# Altium PCB 左手键盘1.PcbDoc (part 1 of 2) (continued)
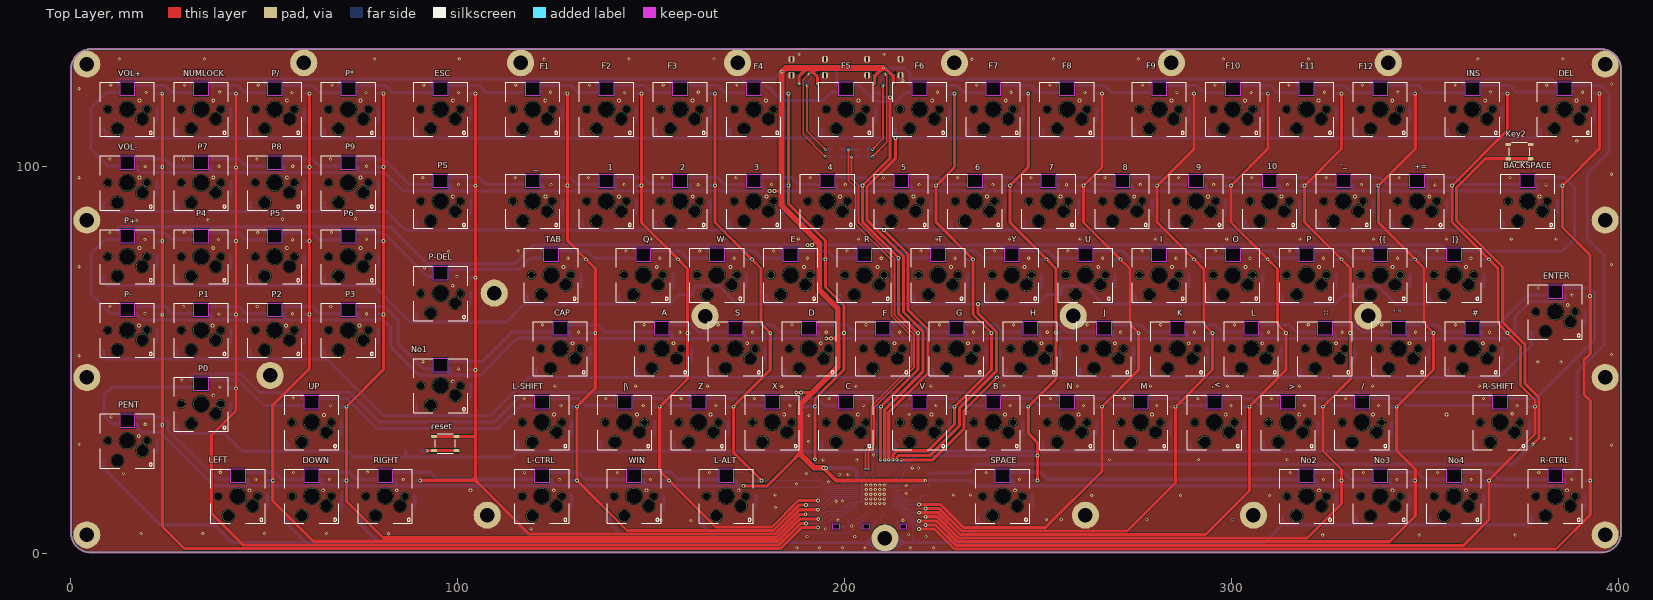
[diagram p0: Top Layer view]
## Part data
1 2 3 4 5 6 7 8 9 10 # "' \"" += ,< -_ .> / ;: ]} A B BACKSPACE C CAP D DEL DOWN E ENTER ESC F F1 F2 F3 F4 F5 F6 F7 F8 F9 F10 F11 F12 G H I INS J K L L-ALT L-CTRL L-SHIFT LEFT M N No1 No2 No3 No4 NUMLOCK O P P0 P1 P2 P3 P4 P5 P6 P7 P8 P9 P* P+ P- P-DEL P/ PENT PS Q R R-CTRL R-SHIFT RIGHT S SPACE T TAB U UP V VOL+ VOL- W WIN X Y Z {[ |\ ~: "KEY"
C2 C3 C4 C5 C6 C7: library part "0805 100nF(104) 10% 50V", "贴片电容", Package=0805, SuppliersPartNumber=C49678, ComponentLink1Description=供应商链接, ComponentLink1URL=http://www.szlcsc.com/product/details_50686.html, Supplier=LC
C8 C9: library part "0805 10uF (106) 10% 25V", "贴片电容", Package=0805, SuppliersPartNumber=C15850, ComponentLink1Description=供应商链接, ComponentLink1URL=http://www.szlcsc.com/product/details_16532.html, Supplier=LC
C10 C11: library part "0805 22pF (220) 5% 50V", "贴片电容", Package=0805, SuppliersPartNumber=C1804, ComponentLink1Description=供应商链接, ComponentLink1URL=http://www.szlcsc.com/product/details_2156.html, Supplier=LC
D1 D3 D4: "Typical RED GaAs LED", LatestRevisionDate=08-Jul-2005, LatestRevisionNote="Mech Layer 1 removed.", PackageDescription="LED; 2 Leads", PackageReference=LED-1, Published=8-Jun-2000, Publisher="Altium Limited"
D2: library part "LL-34 LL4148 LL-34 1206", "开关二极管", Package=LL-34, SuppliersPartNumber=C9808, ComponentLink1Description=供应商链接, ComponentLink1URL=http://www.szlcsc.com/product/details_10338.html, Supplier=LC
R1 R2 R3 R4 R7 R8 R9: library part "0805 10Ω (10R0) 1%", "贴片电阻", Package=0805, SuppliersPartNumber=C17415, ComponentLink1Description=供应商链接, ComponentLink1URL=http://www.szlcsc.com/product/details_18103.html, Supplier=LC
R5 R6: library part "0805 1.5MΩ (1504) 1%", "贴片电阻", Package=0805, SuppliersPartNumber=C26110, ComponentLink1Description=供应商链接, ComponentLink1URL=http://www.szlcsc.com/product/details_26853.html, Supplier=LC
USB1 USB2: BOM_Manufacturer="SHOU HAN", BOM_Manufacturer Part=TYPE-C16PIN, Package Display=Yes, BOM_Supplier=LCSC, BOM_Supplier Part=C393939, Contributor=shiyindebcd, spicePre=U, spiceSymbolName=usb-TYPE-C16PIN
Y2: library part "SMD-3225_4P  16MHZ 9PF 10PPM", "贴片晶振", Package=SMD-3225_4P, SuppliersPartNumber=C13738, ComponentLink1Description=供应商链接, ComponentLink1URL=http://www.szlcsc.com/product/details_14393.html, Supplier=LC

## Free pads (board coordinates)
  round 7 hole 3.75: 1(4.224,4.755) 1(4.224,45.427) 1(4.224,86.1) 1(4.224,126.436) 1(51.604,45.948) 1(60.29,126.772) 1(107.72,9.832) 1(109.528,67.222) 1(116.356,126.772) 1(164.036,61.312) 1(172.422,126.772) 1(210.522,3.901) 1(228.488,126.772) 1(259.19,61.327) 1(262.322,9.832) 1(284.554,126.772) 1(305.777,9.832) 1(335.403,61.34) 1(340.62,126.772) 1(396.686,126.436) 1(396.686,4.755) 1(396.686,45.427) 1(396.686,86.1)

## Via types
v1: diameter 0.8, hole 0.4, Top Layer to Bottom Layer, tented both sides, 366 vias
v2: diameter 1, hole 0.5, Top Layer to Bottom Layer, tented both sides, 238 vias
v3: diameter 0.5, hole 0.3, Top Layer to Bottom Layer, tented both sides, 2 vias

## Nets (pads, with @x,y where several pads share a name; then routed paths per layer and width w, separated by ;. In a path a pad name is that pad's centre, name@x,y a point inside that pad or via, vN(x,y) a via of type N, cw(c..) or ccw(c..) an arc to the next point about the centre after c; other vN are vias at no path point)
+5: 1.1 2.1 3.1 4.1 5.1 6.1 7.1 8.1 9.1 10.1 "' \".1" #.1 +=.1 ,<.1 -_.1 .>.1 /.1 ;:.1 ]}.1 A.1 B.1 BACKSPACE.1 C2.2 C3.2 C4.2 C5.2 C6.2 C7.2 C.1 CAP.1 D.1 DEL.1 DOWN.1 E.1 ENTER.1 ESC.1 F1.1 F2.1 F3.1 F4.1 F5.1 F6.1 F7.1 F8.1 F9.1 F10.1 F11.1 F12.1 F.1 G.1 H.1 I.1 INS.1 J.1 K.1 L-ALT.1 L-CTRL.1 L-SHIFT.1 L.1 LEFT.1 M.1 N.1 No1.1 No2.1 No3.1 No4.1 NUMLOCK.1 O.1 P0.1 P1.1 P2.1 P3.1 P4.1 P5.1 P6.1 P7.1 P8.1 P9.1 P*.1 P+.1 P-.1 P-DEL.1 P.1 P/.1 PENT.1 PS.1 Q.1 R5.2 R-CTRL.1 R-SHIFT.1 R.1 RIGHT.1 S.1 SPACE.1 T.1 TAB.1 U2.3 U2.8 U2.21 U2.52 U2.64 U.1 UP.1 USB1.A4B9 USB1.B4A9 USB2.A4B9 USB2.B4A9 V.1 VOL+.1 VOL-.1 W.1 WIN.1 X.1 Y.1 Z.1 {[.1 |\.1 ~.1 | length 2594.3
  Top Layer w0.8: v2(173.966,17.436) 173.972,17.429 180.157,17.429 180.219,17.492 188.686,25.959 ; v2(180.721,93.632) v2(181.945,93.632) ; v2@181.958,93.635 183.777,93.635 ; 183.777,93.467 183.782,93.467 183.977,93.467 ; v2@187.589,41.565 v2@188.813,41.565 ; v1(188.285,121.269) 188.285,123.258 190.475,125.447 190.754,125.447 193.07,123.131 v1(193.07,121.269) ; v2@188.813,41.585 v2@188.839,41.559 ; v2@188.839,41.565 191.76,41.565 ; v2@190.464,79.677 v2@191.689,79.677 ; v2@191.689,79.764 v2@191.712,79.764 ; v2@191.712,79.677 192.824,80.79 ; v2@195.331,55.532 v2@196.555,55.532 ; v2(196.555,55.507) v2@196.568,55.494 ; v2@196.568,55.535 198.333,55.535 ; 207.861,121.269 207.861,123.326 209.982,125.447 v1(210.172,125.447) 210.49,125.447 212.661,123.276 212.661,121.269
  Top Layer w1: v2(194.62,22.07) 197.909,18.781 v1(220.934,18.781)
  Top Layer w1.5: 183.777,93.467 183.777,89.924 192.824,80.876 193.556,80.145 193.556,68.036 198.333,63.259 198.333,55.494 198.333,48.133 191.76,41.559 188.686,38.486 188.686,25.959 188.686,25.59 192.202,22.075 v2@194.62,22.075 ; 183.782,93.467 183.782,124.371 v2(183.858,124.447) 184.858,125.447 185.384,125.447 187.058,125.447 190.754,125.447 197.159,125.447 203.666,125.447 v1@209.982,125.447
  Bottom Layer w0.3: C4.2@199.257,12.162 200.33,12.162 201.425,13.257 U2.52@203.402,13.257
  Bottom Layer w0.4: 207.483,18.715 207.518,18.679 207.569,18.628 207.907,18.628 ; 207.652,18.883 207.907,18.628 ; C3.2@217.427,18.818 217.4,18.791 215.6,18.791 214.066,17.257 212.402,17.257 211.404,17.257 211.16,17.501 211.16,17.993 210.525,18.628 207.907,18.628
  Bottom Layer w0.5: U2.52@203.402,13.257 204.26,13.257 204.567,13.564 204.567,18.278 205.003,18.715 ; 204.846,18.715 205.003,18.715 ; 205.039,18.679 207.518,18.679 ; U2.3@205.152,20.007 205.152,18.863 205.003,18.715 ; 207.483,18.715 207.652,18.883 U2.8@207.652,20.007 ; USB2.A4B9@207.838,122.418 USB2.A4B9@207.849,122.406 ; 207.849,121.281 207.861,121.269 ; USB2.B4A9@212.628,122.427 USB2.B4A9@212.638,122.418 USB2.B4A9@212.65,122.406 ; 212.65,121.281 212.661,121.269
  Bottom Layer w0.6: USB2.A4B9@207.838,122.418 207.838,123.509 209.748,125.419 ; 207.849,121.281 USB2.A4B9@207.849,122.406 ; 210.734,125.419 212.628,123.525 USB2.B4A9@212.628,122.427 ; 212.65,121.281 USB2.B4A9@212.65,122.406
  Bottom Layer w0.7: U2.64@203.402,19.348 204.223,19.348 ; 204.223,19.338 204.846,18.715
  Bottom Layer w0.8: P+.1@12.172,82.97 12.172,83.929 12.64,84.398 ; P+.1@12.182,82.97 12.282,82.87 P+.1@12.293,82.87 ; VOL+.1@12.293,120.97 12.211,120.97 12.111,121.07 12.111,122.063 12.579,122.532 16.835,122.532 16.837,122.53 31.183,122.53 ; 12.65,84.398 31.201,84.398 ; PENT.1@17.093,33.445 17.172,33.445 17.272,33.345 17.272,32.427 18.421,31.278 23.205,31.278 37.048,17.435 41.149,17.435 41.161,17.422 45.403,17.422 45.416,17.435 45.819,17.435 ; P-.1@17.093,62.02 17.231,61.882 17.231,61.501 18.399,60.334 18.399,60.283 36.167,60.283 36.167,60.3 36.279,60.3 ; VOL-.1@17.093,100.12 17.141,100.12 17.242,100.02 17.242,99.253 18.104,98.39 36.17,98.39 ; NUMLOCK.1@31.183,120.939 31.183,122.53 ; P0.1@31.343,44.77 31.301,44.77 31.201,44.87 31.201,45.833 31.67,46.301 44.13,46.301 48.862,41.569 59.936,41.569 ; P4.1@31.343,82.87 31.301,82.87 31.201,82.97 31.201,84.398 ; P1.1@36.143,62.02 36.279,61.885 36.279,60.3 ; P7.1@36.143,100.12 36.284,99.98 36.284,98.393 ; 36.167,98.393 36.17,98.39 ; LEFT.1@45.668,19.157 45.819,19.007 45.819,17.435 ; P/.1@50.248,120.939 50.248,122.53 ; 50.259,84.364 50.259,83.005 P5.1@50.393,82.87 ; P2.1@55.193,62.02 55.329,61.885 55.329,60.3 ; P8.1@55.193,100.12 55.334,99.98 55.334,98.393 ; UP.1@59.773,39.976 59.773,41.559 ; 59.926,41.559 59.936,41.569 ; DOWN.1@64.731,19.157 64.861,19.027 64.861,17.435 ; 69.278,84.353 69.278,83.081 P6.1@69.466,82.893 ; P*.1@69.316,120.939 69.316,122.53 ; 69.597,84.398 31.201,84.398 ; 69.743,84.396 82.634,84.396 92.2,74.831 114.803,74.831 119.649,79.677 336.202,79.677 ; P3.1@74.243,62.02 74.379,61.885 74.379,60.283 ; P9.1@74.243,100.12 74.374,99.99 74.374,98.393 ; RIGHT.1@83.768,19.157 83.909,19.017 83.909,17.435 ; 93.116,74.768 93.116,73.485 P-DEL.1@93.256,73.345 ; ESC.1@93.121,120.939 93.121,122.53 ; PS.1@98.056,95.357 98.196,95.217 98.196,93.631 ; No1.1@98.061,47.732 98.107,47.732 98.207,47.632 98.207,46.01 ; F1.1@116.934,120.939 116.934,122.53 ; L-SHIFT.1@119.316,39.976 119.316,41.559 ; 119.463,41.559 119.474,41.569 ; 121.696,79.639 121.696,78.242 TAB.1@121.831,78.107 ; ~.1@121.868,95.357 122.004,95.222 122.004,93.631 ; L-CTRL.1@124.256,19.157 124.396,19.017 124.396,17.435 ; 129.042,55.535 372.11,55.535 373.38,56.805 373.38,61.123 377.307,65.049 385.748,65.049 ; 129.042,55.56 115.433,55.56 105.882,46.01 98.207,46.01 ; 129.169,55.56 CAP.1@129.169,57.274 ; F2.1@136.001,120.939 136.001,122.53 ; |\.1@140.731,39.976 140.731,41.559 ; 140.888,41.559 140.899,41.569 ; 1.1@140.931,95.357 141.061,95.227 141.061,93.635 ; 145.498,79.639 145.498,78.252 Q.1@145.643,78.107 ; WIN.1@148.068,19.157 148.209,19.017 148.209,17.435 ; F3.1@155.051,120.939 155.051,122.53 ; A.1@155.219,57.257 155.354,57.122 155.354,55.56 ; Z.1@159.791,39.976 159.791,41.559 ; 159.938,41.559 159.949,41.569 ; 2.1@159.981,95.357 160.111,95.227 160.111,93.635 ; 164.554,79.639 164.554,78.247 W.1@164.693,78.107 ; L-ALT.1@171.881,19.157 172.026,19.012 172.026,17.506 ; v2@173.932,17.435 148.209,17.435 ; F4.1@174.079,120.939 174.079,122.53 ; S.1@174.256,57.257 174.391,57.122 174.391,55.631 ; X.1@178.836,39.976 178.836,41.559 ; 178.988,41.559 178.999,41.569 ; 3.1@179.018,95.357 179.149,95.227 179.149,93.635 ; 183.593,79.639 183.593,78.257 E.1@183.743,78.107 ; D.1@193.306,57.257 193.431,57.132 193.431,55.611 ; C.1@197.904,39.976 197.904,41.559 ; F5.1@198.031,120.97 198.031,125.412 198.066,125.447 ; 198.051,41.559 198.057,41.565 ; 4.1@198.068,95.357 198.193,95.232 198.193,93.655 ; 202.648,79.639 202.648,78.252 R.1@202.793,78.107 ; 209.748,125.419 210.734,125.419 215.588,125.419 216.944,124.063 216.944,122.679 ; v1(210.172,125.447) 198.066,125.447 ; F.1@212.356,57.257 212.486,57.127 212.486,55.55 ; V.1@216.936,39.976 216.936,41.559 ; F6.1@216.941,120.939 216.941,122.53 216.944,122.533 216.944,122.679 ; 217.088,41.559 217.099,41.569 ; 217.269,93.675 5.1@217.269,95.288 ; C3.2@217.428,18.817 219.407,18.817 219.428,18.796 220.919,18.796 220.939,18.776 232.656,18.776 232.664,18.776 234.003,17.437 243.329,17.437 ; 221.706,79.639 221.706,78.257 T.1@221.856,78.107 ; G.1@231.419,57.257 231.559,57.117 231.559,55.59 ; F7.1@235.986,120.939 235.986,122.53 ; B.1@235.996,39.976 235.996,41.559 ; 236.143,41.559 236.154,41.569 ; 236.299,93.706 6.1@236.299,95.318 ; 240.761,79.639 240.761,78.252 Y.1@240.906,78.107 ; SPACE.1@243.318,19.157 243.454,19.022 243.454,17.45 ; 243.342,17.45 243.329,17.437 ; H.1@250.456,57.257 250.596,57.117 250.596,55.58 ; N.1@255.031,39.976 255.031,41.559 ; F8.1@255.041,120.939 255.041,122.53 ; 255.188,41.559 255.199,41.569 ; 255.349,93.716 7.1@255.349,95.328 ; 259.804,79.639 259.804,78.247 U.1@259.943,78.107 ; J.1@269.506,57.257 269.641,57.122 269.641,55.58 ; M.1@274.086,39.976 274.086,41.559 ; 274.238,41.559 274.249,41.569 ; 274.404,93.68 8.1@274.404,95.293 ; 278.838,79.639 278.838,78.262 I.1@278.993,78.107 ; F9.1@278.866,120.939 278.866,122.53 ; K.1@288.556,57.257 288.696,57.117 288.696,55.58 ; 293.136,39.976 293.136,41.559 ; 293.288,41.559 293.299,41.569 ; 293.461,93.716 9.1@293.461,95.328 ; 297.888,79.659 297.888,78.262 O.1@298.043,78.107 ; F10.1@297.921,120.939 297.921,122.53 ; L.1@307.606,57.257 307.736,57.127 307.736,55.575 ; .>.1@312.191,39.976 312.191,41.559 ; 312.338,41.559 312.349,41.569 ; 312.504,93.721 10.1@312.504,95.333 ; 316.948,79.639 316.948,78.252 P.1@317.093,78.107 ; F11.1@316.964,120.939 316.964,122.53 ; No2.1@321.906,19.157 322.036,19.027 322.036,17.45 ; 326.656,57.257 326.791,57.122 326.791,55.575 ; /.1@331.254,39.976 331.254,41.559 ; 331.401,41.559 331.412,41.569 ; 331.554,93.675 -_.1@331.554,95.288 ; F12.1@336.011,120.939 336.011,122.53 ; {[.1@336.021,78 336.021,79.639 ; 336.164,79.639 336.202,79.677 ; No3.1@340.956,19.162 341.086,19.032 341.086,17.45 ; 345.706,57.257 345.841,57.122 345.841,55.606 ; 350.599,93.696 +=.1@350.599,95.308 ; ]}.1@355.052,78.131 355.052,78.958 354.333,79.677 336.202,79.677 ; INS.1@359.834,120.939 359.834,122.53 ; 359.976,122.53 359.974,122.532 ; No4.1@360.006,19.162 360.141,19.027 360.141,17.45 ; #.1@364.769,57.257 364.894,57.132 364.894,55.662 ; R-SHIFT.1@366.967,40.067 366.967,41.157 366.554,41.569 331.412,41.569 ; 378.797,93.635 179.149,93.635 ; 378.889,93.635 379.186,93.932 379.186,95.214 BACKSPACE.1@379.043,95.357 ; DEL.1@383.685,121.03 383.625,121.03 383.616,121.039 383.616,121.826 382.91,122.532 379.806,122.532 359.974,122.532 ; 385.87,65.049 386.339,65.518 ; R-CTRL.1@386.193,19.162 386.234,19.162 386.334,19.062 386.334,17.906 385.865,17.437 243.329,17.437 ; ENTER.1@386.193,66.782 386.344,66.632 386.344,65.518 ; 31.183,122.53 31.641,122.53 31.643,122.532 35.885,122.532 35.887,122.53 50.248,122.53 ; 36.17,98.39 81.223,98.39 85.983,93.631 121.892,93.631 122.004,93.631 ; 36.279,60.3 55.217,60.3 55.217,60.283 74.379,60.283 ; 45.819,17.435 64.861,17.435 ; 50.248,122.53 50.691,122.53 50.693,122.532 54.935,122.532 54.937,122.53 69.316,122.53 ; 59.936,41.569 72.177,41.569 79.87,33.876 109.558,33.876 117.251,41.569 119.474,41.569 ; 64.861,17.435 83.909,17.435 ; 69.316,122.53 69.753,122.53 69.756,122.532 73.998,122.532 74,122.53 93.121,122.53 ; 74.379,60.283 80.761,60.283 82.758,58.286 82.758,53.414 90.162,46.01 98.207,46.01 ; 83.909,17.435 124.396,17.435 ; 93.121,122.53 93.553,122.53 93.555,122.532 97.797,122.532 97.8,122.53 116.934,122.53 ; 116.934,122.53 117.366,122.53 117.368,122.532 121.61,122.532 121.612,122.53 136.001,122.53 ; 119.474,41.569 140.899,41.569 ; 122.004,93.631 140.955,93.631 140.955,93.635 141.061,93.635 ; 124.396,17.435 148.209,17.435 ; 136.001,122.53 136.428,122.53 136.431,122.532 140.673,122.532 140.675,122.53 155.051,122.53 ; 140.899,41.569 159.949,41.569 ; 141.061,93.635 160.005,93.635 160.005,93.631 179.042,93.631 179.042,93.635 179.149,93.635 ; 155.051,122.53 155.478,122.53 155.481,122.532 159.723,122.532 159.725,122.53 174.079,122.53 ; 159.949,41.569 178.999,41.569 ; 174.079,122.53 174.516,122.53 174.518,122.532 178.76,122.532 178.762,122.53 181.864,122.53 183.682,124.347 183.704,124.347 183.804,124.447 v2(183.858,124.447) 183.912,124.447 184.912,125.447 198.066,125.447 ; 178.999,41.569 186.06,41.569 186.065,41.565 198.057,41.565 ; 198.057,41.565 198.338,41.565 198.343,41.569 217.099,41.569 ; 216.944,122.679 217.088,122.535 217.088,122.53 217.091,122.532 359.974,122.532 ; 217.099,41.569 236.154,41.569 ; 236.154,41.569 255.199,41.569 ; 255.199,41.569 274.249,41.569 ; 274.249,41.569 293.299,41.569 ; 293.299,41.569 312.349,41.569 ; 312.349,41.569 331.412,41.569
  Bottom Layer w1: v2@194.62,22.062 C7.2@196.55,22.062 ; C7.2@196.559,22.057 C5.2@200.66,22.057 ; C5.2@200.66,22.059 202.23,22.059 203.259,21.03 203.259,19.541
  other v2: 195.27,22.062 187.589,41.57 188.813,41.57 195.331,55.507 190.464,79.672 191.689,79.672
GND: 1.3 2.3 3.3 4.3 5.3 6.3 7.3 8.3 9.3 10.3 "' \".3" #.3 +=.3 ,<.3 -_.3 .>.3 /.3 ;:.3 ]}.3 A.3 B.3 BACKSPACE.3 C2.1 C3.1 C4.1 C5.1 C6.1 C7.1 C8.1 C9.2 C10.1 C11.1 C.3 CAP.3 D1.2 D3.2 D4.2 D.3 DEL.3 DOWN.3 E.3 ENTER.3 ESC.3 F1.3 F2.3 F3.3 F4.3 F5.3 F6.3 F7.3 F8.3 F9.3 F10.3 F11.3 F12.3 F.3 G.3 H.3 I.3 INS.3 J.3 K.3 Key2.1 Key2.2 L-ALT.3 L-CTRL.3 L-SHIFT.3 L.3 LEFT.3 M.3 N.3 No1.3 No2.3 No3.3 No4.3 NUMLOCK.3 O.3 P0.3 P1.3 P2.3 P3.3 P4.3 P5.3 P6.3 P7.3 P8.3 P9.3 P*.3 P+.3 P-.3 P-DEL.3 P.3 P/.3 pad.1@4.224,4.755 pad.1@4.224,45.427 pad.1@4.224,86.1 pad.1@4.224,126.436 pad.1@51.604,45.948 pad.1@60.29,126.772 pad.1@107.72,9.832 pad.1@109.528,67.222 pad.1@116.356,126.772 pad.1@164.036,61.312 pad.1@172.422,126.772 pad.1@228.488,126.772 pad.1@259.19,61.327 pad.1@262.322,9.832 pad.1@284.554,126.772 pad.1@305.777,9.832 pad.1@335.403,61.34 pad.1@340.62,126.772 pad.1@396.686,4.755 pad.1@396.686,45.427 pad.1@396.686,86.1 pad.1@396.686,126.436 PENT.3 PS.3 Q.3 R6.2 R-CTRL.3 R-SHIFT.3 R.3 RIGHT.3 S.3 SPACE.3 T.3 TAB.3 U2.6 U2.22 U2.53 U2.63 U.3 UP.3 USB1.1 USB1.2 USB1.3 USB1.4 USB1.A1B12 USB1.B1A12 USB2.1 USB2.2 USB2.3 USB2.4 USB2.A1B12 USB2.B1A12 V.3 VOL+.3 VOL-.3 W.3 WIN.3 X.3 Y.3 Z.3 {[.3 |\.3 ~.3
  other v1: 187.746,1.329 193.63,1.329 199.515,1.329 205.399,1.329 217.167,1.329 223.051,1.329 190.398,4.332 202.725,4.332 221.105,4.332 323.678,4.679 348.55,4.679 373.423,4.679 216.558,4.85 82.184,5.029 18.192,5.06 34.19,5.06 50.188,5.06 66.186,5.06 119,6.286 195.206,6.272 201.928,7.041 160.401,8.509 152.641,8.522 215.217,8.523 198.408,8.57 256.083,8.717 278.216,8.717 300.35,8.717 252.247,8.738 182.195,11.803 205.689,12.873 206.853,12.873 208.016,12.873 209.179,12.873 210.342,12.873 197.825,13.447 199.559,13.458 205.689,14.064 206.853,14.064 208.016,14.064 209.179,14.064 210.342,14.064 263.982,14.91 286.937,14.91 309.893,14.91 182.113,15.085 228.255,15.085 232.684,15.085 205.689,15.255 206.853,15.255 208.016,15.255 209.179,15.255 210.342,15.255 215.95,15.415 205.689,16.447 206.853,16.447 208.016,16.447 209.179,16.447 210.342,16.447 215.936,17.543 205.689,17.617 206.853,17.617 208.016,17.617 209.179,17.617 210.342,17.617 187.696,17.856 195.976,18.369 47.93,19.037 66.98,19.037 86.004,19.037 126.403,19.037 149.949,19.037 245.339,19.037 323.901,19.037 342.913,19.037 361.988,19.037 388.15,19.037 198.76,20.348 201.005,20.384 190.266,20.635 13.703,20.65 57.683,20.879 117.348,20.892 141.44,20.892 165.214,20.892 236.601,20.892 315.176,20.892 334.251,20.892 353.327,20.892 379.501,20.892 38.722,20.93 76.721,20.955 219.141,22.032 217.566,22.042 203.261,24.089 194.539,24.15 268.567,24.27 291.522,24.27 314.477,24.27 207.604,25.385 398.295,27.999 2.195,28.058 190.769,28.867 380.858,29.666 387.86,29.666 19.329,33.337 10.503,35.268 190.931,35.653 216.713,35.839 67.208,38.202 126.746,38.227 148.057,38.227 166.878,38.227 186.017,38.227 204.978,38.227 223.749,38.227 242.799,38.227 261.798,38.227 280.861,38.227 299.949,38.227 318.999,38.227 338.049,38.227 373.875,38.227 117.183,40.018 138.468,40.018 157.861,40.018 176.835,40.018 196.012,40.018 253.327,40.018 272.377,40.018 291.465,40.018 310.477,40.018 329.552,40.018 365.188,40.018 57.48,40.081 38.697,43.002 203.063,43.086 183.849,43.123 241.287,43.178 125.25,43.252 146.103,43.252 164.728,43.252 222.46,43.252 260.298,43.252 279.18,43.252 299.112,43.252 317.718,43.252 336.508,43.252 364.159,43.252 28.854,44.767 100.279,47.638 379.245,49.408 385.234,49.408 91.097,49.505 2.195,51.057 398.295,51.32 131.267,57.125 157.518,57.125 176.314,57.125 195.351,57.125 214.274,57.125 233.451,57.125 252.476,57.125 271.45,57.125 290.563,57.125 309.613,57.125 328.625,57.125 347.688,57.125 366.776,57.125 122.022,59.068 148.196,59.068 167.437,59.068 186.499,59.068 205.626,59.068 224.638,59.068 243.738,59.068 262.788,59.068 281.788,59.068 300.825,59.068 319.926,59.068 338.938,59.068 358.013,59.068 38.417,61.887 57.417,61.912 76.492,61.912 19.266,61.951 10.236,63.767 29.21,63.741 48.273,63.779 67.285,63.779 388.15,66.7 379.463,68.555 99.911,71.501 91.491,73.8 2.195,74.056 398.295,74.641 128.575,76.251 152.413,76.251 171.475,76.251 190.538,76.251 209.563,76.251 228.613,76.251 247.701,76.251 266.738,76.251 285.763,76.251 304.876,76.251 323.901,76.251 342.976,76.251 362.001,76.251 97.752,77.94 115.621,78.08 143.637,78.08 162.649,78.08 181.699,78.08 200.736,78.08 219.812,78.08 238.823,78.08 257.861,78.08 276.936,78.08 295.948,78.08 315.062,78.08 334.137,78.08 353.174,78.08 57.379,81.039 19.253,81.051 76.505,81.051 38.303,81.064 126.289,81.255 150,81.255 168.961,81.255 188.112,81.255 203.657,81.255 223.926,81.255 242.672,81.255 260.985,81.255 280.314,81.255 298.869,81.255 317.767,81.255 336.753,81.255 355.702,81.255 372.402,81.255 383.997,81.255 67.437,82.88 29.4,82.893 48.4,82.893 10.262,82.931 17.056,85.966 35.585,86.093 54.8,86.335 73.673,86.449 352.717,95.225 381.381,95.225 162.179,95.237 181.216,95.263 200.254,95.263 238.404,95.263 257.429,95.237 100.317,95.275 124.206,95.275 333.68,95.275 143.104,95.288 219.354,95.288 276.504,95.301 295.516,95.288 314.604,95.301 2.195,97.054 91.046,97.168 114.871,97.168 133.921,97.168 153.035,97.168 172.06,97.168 191.11,97.168 210.147,97.168 229.222,97.168 248.298,97.168 267.36,97.168 286.372,97.168 305.41,97.168 324.485,97.168 343.37,97.168 372.085,97.168 398.295,97.962 19.329,100.013 38.341,100.025 57.455,100.025 76.543,100.038 10.249,101.879 67.246,101.879 29.223,101.905 48.247,101.892 389.331,106.515 19.482,119.05 57.264,119.101 76.391,119.139 100.254,119.139 143.18,119.139 262.217,119.126 286.004,119.113 305.105,119.113 124.117,119.151 324.18,119.151 390.779,119.151 162.268,119.164 224.053,119.164 243.091,119.164 343.154,119.177 367.005,119.189 38.583,119.202 2.195,120.053 10.414,121.056 29.451,121.056 48.527,121.056 67.577,121.056 91.3,121.056 115.1,121.056 134.163,121.056 153.225,121.056 172.288,121.056 234.175,121.056 253.2,121.056 277.076,121.056 295.846,121.056 314.973,121.056 333.985,121.056 357.848,121.056 381.571,121.056 398.295,121.282 215.125,122.234 233.073,127.678 12.703,127.711 34.649,127.711 78.543,127.711 100.49,127.711 122.437,127.711 144.384,127.711 166.331,127.711 254.119,127.711 276.066,127.711 298.013,127.711 319.96,127.711 363.854,127.711 385.801,127.711 188.278,128.889 210.225,128.889
  other v2: 46.299,16.269 65.318,16.269 84.337,16.269 103.356,16.269 124.907,16.269 148.88,16.269 172.723,16.269 244.119,16.269 322.694,16.269 341.713,16.269 360.732,16.269 386.814,16.269 17.646,30.276 65.529,35.758 124.973,35.888 146.444,35.888 165.463,35.888 184.482,35.888 203.501,35.888 222.52,35.888 241.539,35.888 260.558,35.888 279.577,35.888 298.596,35.888 317.615,35.888 336.634,35.888 355.653,35.888 372.654,36.05 36.911,40.825 98.824,44.447 129.715,54.272 155.9,54.272 174.919,54.272 193.938,54.272 212.957,54.272 231.976,54.272 250.995,54.272 270.014,54.272 289.034,54.272 308.053,54.272 327.072,54.272 346.091,54.272 365.11,54.272 17.681,58.913 36.7,58.913 55.719,58.913 74.738,58.913 387.01,64.211 98.791,69.149 127.472,73.952 151.541,73.952 170.561,73.952 189.58,73.952 208.599,73.952 227.618,73.952 246.637,73.952 265.656,73.952 284.675,73.952 303.694,73.952 322.713,73.952 341.732,73.952 360.751,73.952 17.877,78.862 36.896,78.862 55.915,78.862 74.934,78.862 98.824,92.172 122.8,92.172 141.819,92.172 160.838,92.172 179.857,92.172 198.876,92.172 217.896,92.172 236.915,92.172 255.934,92.172 274.953,92.172 294.004,92.172 312.991,92.172 332.01,92.172 351.213,92.172 379.702,92.172 17.877,97.084 36.896,97.084 55.915,97.084 74.934,97.084 17.877,116.997 36.896,116.997 55.915,116.997 74.934,116.997 98.824,116.997 122.73,116.997 141.749,116.997 160.768,116.997 179.787,116.997 203.711,116.997 222.73,116.997 241.749,116.997 260.768,116.997 284.592,116.997 303.611,116.997 322.63,116.997 341.649,116.997 365.669,116.997 389.283,116.997
Net1_2: 1.2 2.4 | length 15
  Bottom Layer w0.8: 1.2@140.955,97.138 148.226,97.138 150.026,95.338 2.4@155.179,95.338
Net1_4: 1.4 ~.2 | length 15
  Bottom Layer w0.8: ~.2@121.892,97.138 129.226,97.138 131.026,95.338 1.4@136.116,95.338
Net1_5: 1.5 A.5 F2.5 Q.5 U2.57 WIN.5 |\.5 | length 174.3
  Top Layer w0.8: v2(147.553,118.839) v2(147.553,95.026) 147.553,85.488 v2(157.066,75.976) 159.453,73.588 159.453,59.314 159.464,59.303 v2(159.464,56.959) 159.464,45.037 v2(152.303,37.876) 152.303,21.261 154.691,18.873 154.691,18.866 166.761,6.796 181.307,6.796 188.14,13.63 v2(193.185,13.63)
  Bottom Layer w0.3: v2(193.185,13.63) 195.317,15.762 U2.57@203.402,15.762
  Bottom Layer w0.8: 1.5@146.215,95.026 v2(147.553,95.026) v2@147.587,95.059 ; F2.5@146.215,118.839 v2(147.553,118.839) v2@147.587,118.872 ; |\.5@150.965,37.876 v2(152.303,37.876) v2@152.337,37.91 ; WIN.5@153.352,18.826 v2(154.691,18.826) v2@154.724,18.86 ; Q.5@155.727,75.976 v2(157.066,75.976) v2@157.099,76.01 ; v2(159.464,56.959) 160.47,56.959 A.5@160.503,56.926
Net1_6: 1.6 2.6 3.6 4.6 5.6 6.6 7.6 8.6 9.6 10.6 +=.6 -_.6 BACKSPACE.6 P7.6 P8.6 P9.6 PS.6 U2.12 VOL-.6 ~.6 | length 481.3
  Top Layer w0.8: v2(210.248,83.566) 216.471,77.343 216.471,62.974 221.628,57.818 221.628,46.548 211.511,36.431 v1(211.511,24.145)
  Bottom Layer w0.3: U2.12@209.652,20.012 209.652,22.25 v1@211.521,24.12
  Bottom Layer w0.8: VOL-.6@8.471,90.66 8.471,88.634 8.768,88.336 27.521,88.336 ; P7.6@27.521,90.66 27.521,88.336 ; P8.6@46.571,90.66 46.571,88.412 46.647,88.336 ; P9.6@65.621,90.66 65.761,90.521 65.761,88.438 65.799,88.4 ; PS.6@89.433,85.898 89.433,83.586 89.408,83.561 ; ~.6@113.246,85.898 113.246,83.599 113.284,83.561 ; 1.6@132.309,85.898 132.309,83.586 132.334,83.561 ; 2.6@151.359,85.898 151.359,83.586 151.384,83.561 ; 3.6@170.396,85.898 170.396,83.65 170.307,83.561 ; 4.6@189.446,85.898 189.446,83.599 189.484,83.561 ; 5.6@208.496,85.898 208.496,83.599 208.534,83.561 ; 6.6@227.546,85.898 227.546,83.599 227.584,83.561 ; 7.6@246.596,85.898 246.596,83.599 246.634,83.561 ; 8.6@265.646,85.898 265.646,83.65 265.557,83.561 ; 9.6@284.709,85.898 284.709,83.586 284.734,83.561 ; 10.6@303.746,85.898 303.746,83.599 303.784,83.561 ; -_.6@322.796,85.898 322.796,83.65 322.707,83.561 ; +=.6@341.846,85.898 341.846,83.599 341.884,83.561 ; BACKSPACE.6@370.421,85.898 370.421,84.158 369.824,83.561 341.884,83.561 ; 27.521,88.336 46.647,88.336 ; 46.647,88.336 81.75,88.336 86.525,83.561 89.408,83.561 ; 89.408,83.561 113.284,83.561 ; 113.284,83.561 132.334,83.561 ; 132.334,83.561 151.384,83.561 ; 151.384,83.561 170.307,83.561 ; 170.307,83.561 189.484,83.561 ; 189.484,83.561 208.534,83.561 ; 208.534,83.561 227.584,83.561 ; 227.584,83.561 246.634,83.561 ; 246.634,83.561 265.557,83.561 ; 265.557,83.561 284.734,83.561 ; 284.734,83.561 303.784,83.561 ; 303.784,83.561 322.707,83.561 ; 322.707,83.561 341.884,83.561